# Altium PCB MCU_Module.PcbDoc
Units mm, origin at the board's own origin, x right, y up, seen from the top; angles counter-clockwise.
Board outline 89.87 x 75 mm, 4 copper layers (Top Layer, POWER, GND, Bottom Layer), stack 0.354 mm thick; 143 components, 86 nets, 446 pads, 121 vias.
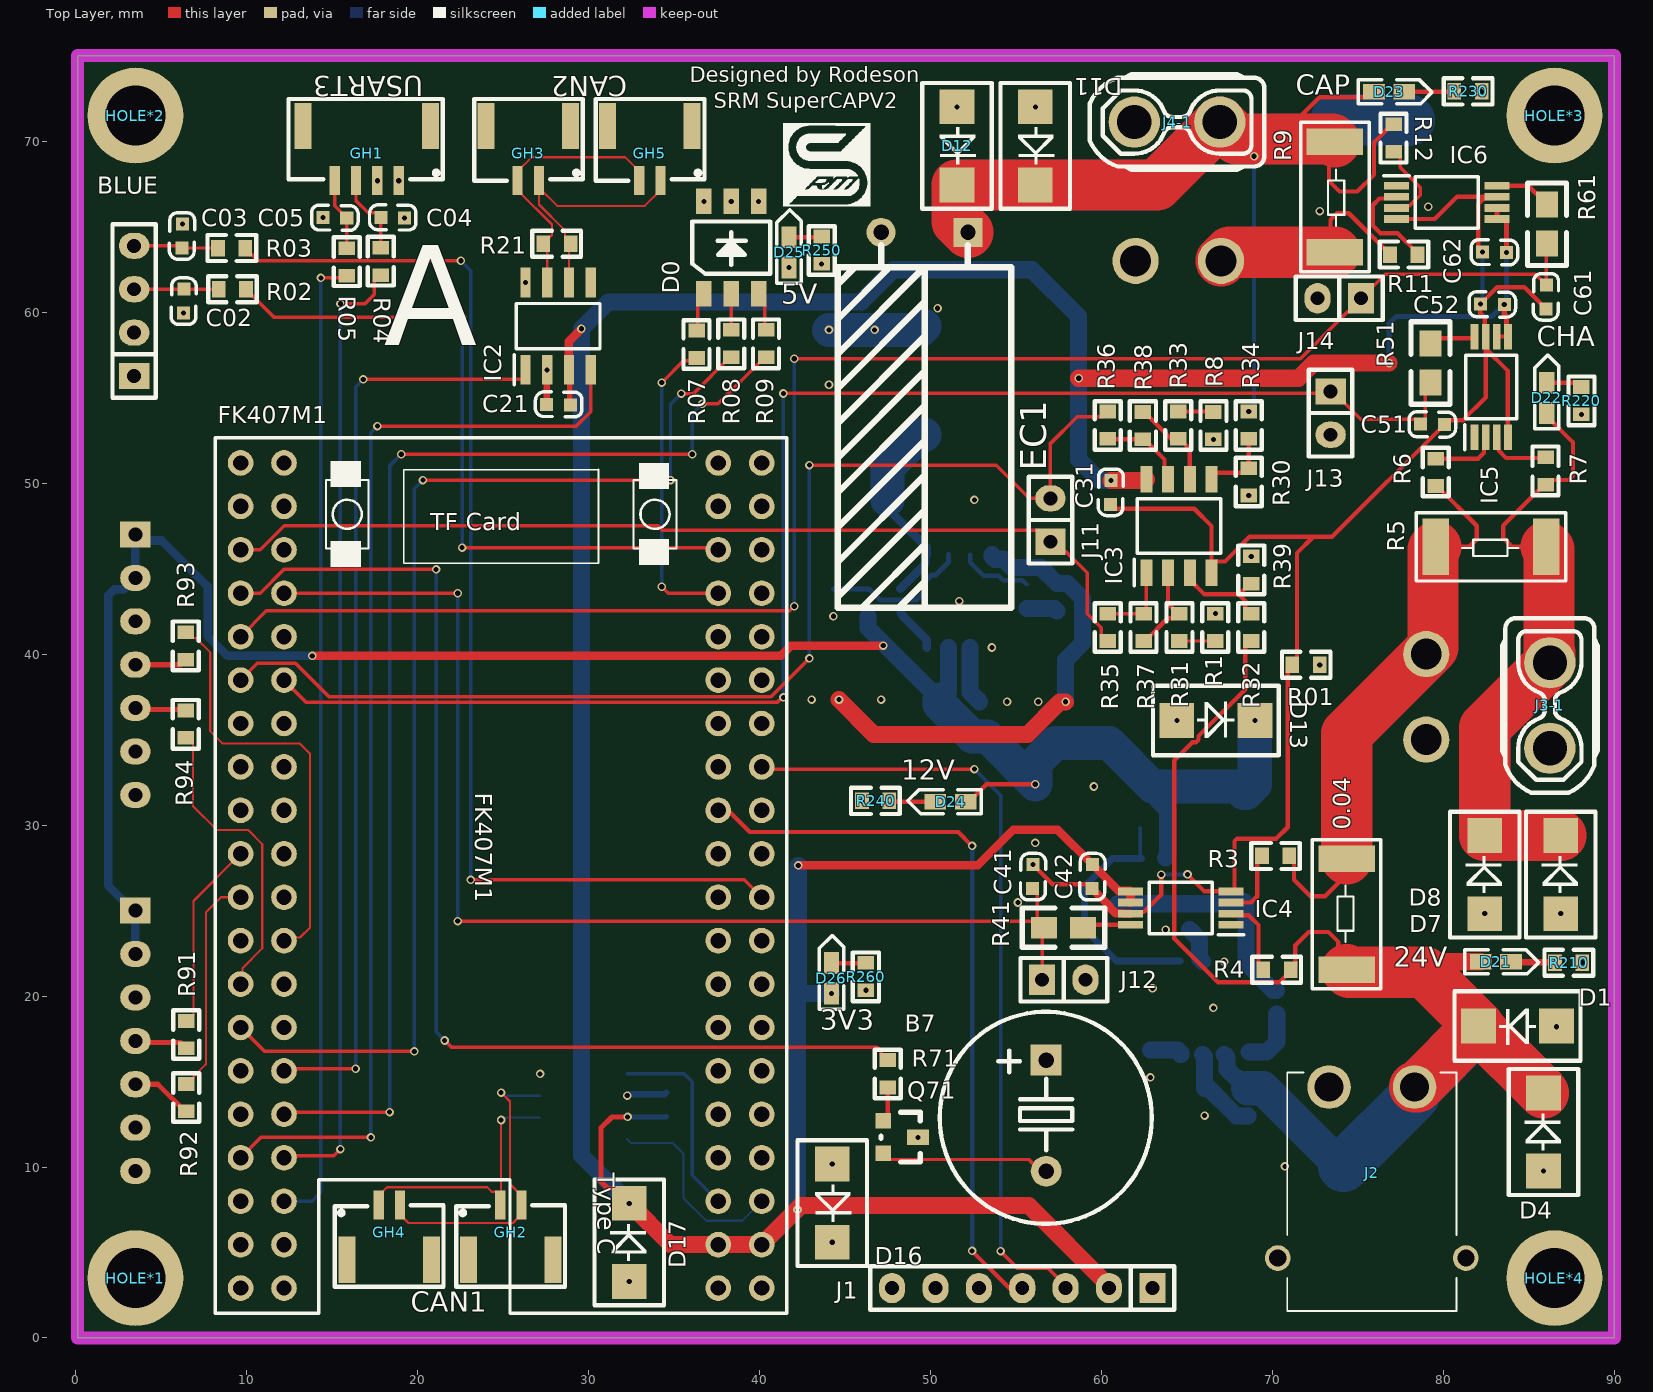
[diagram p0: Top Layer view]
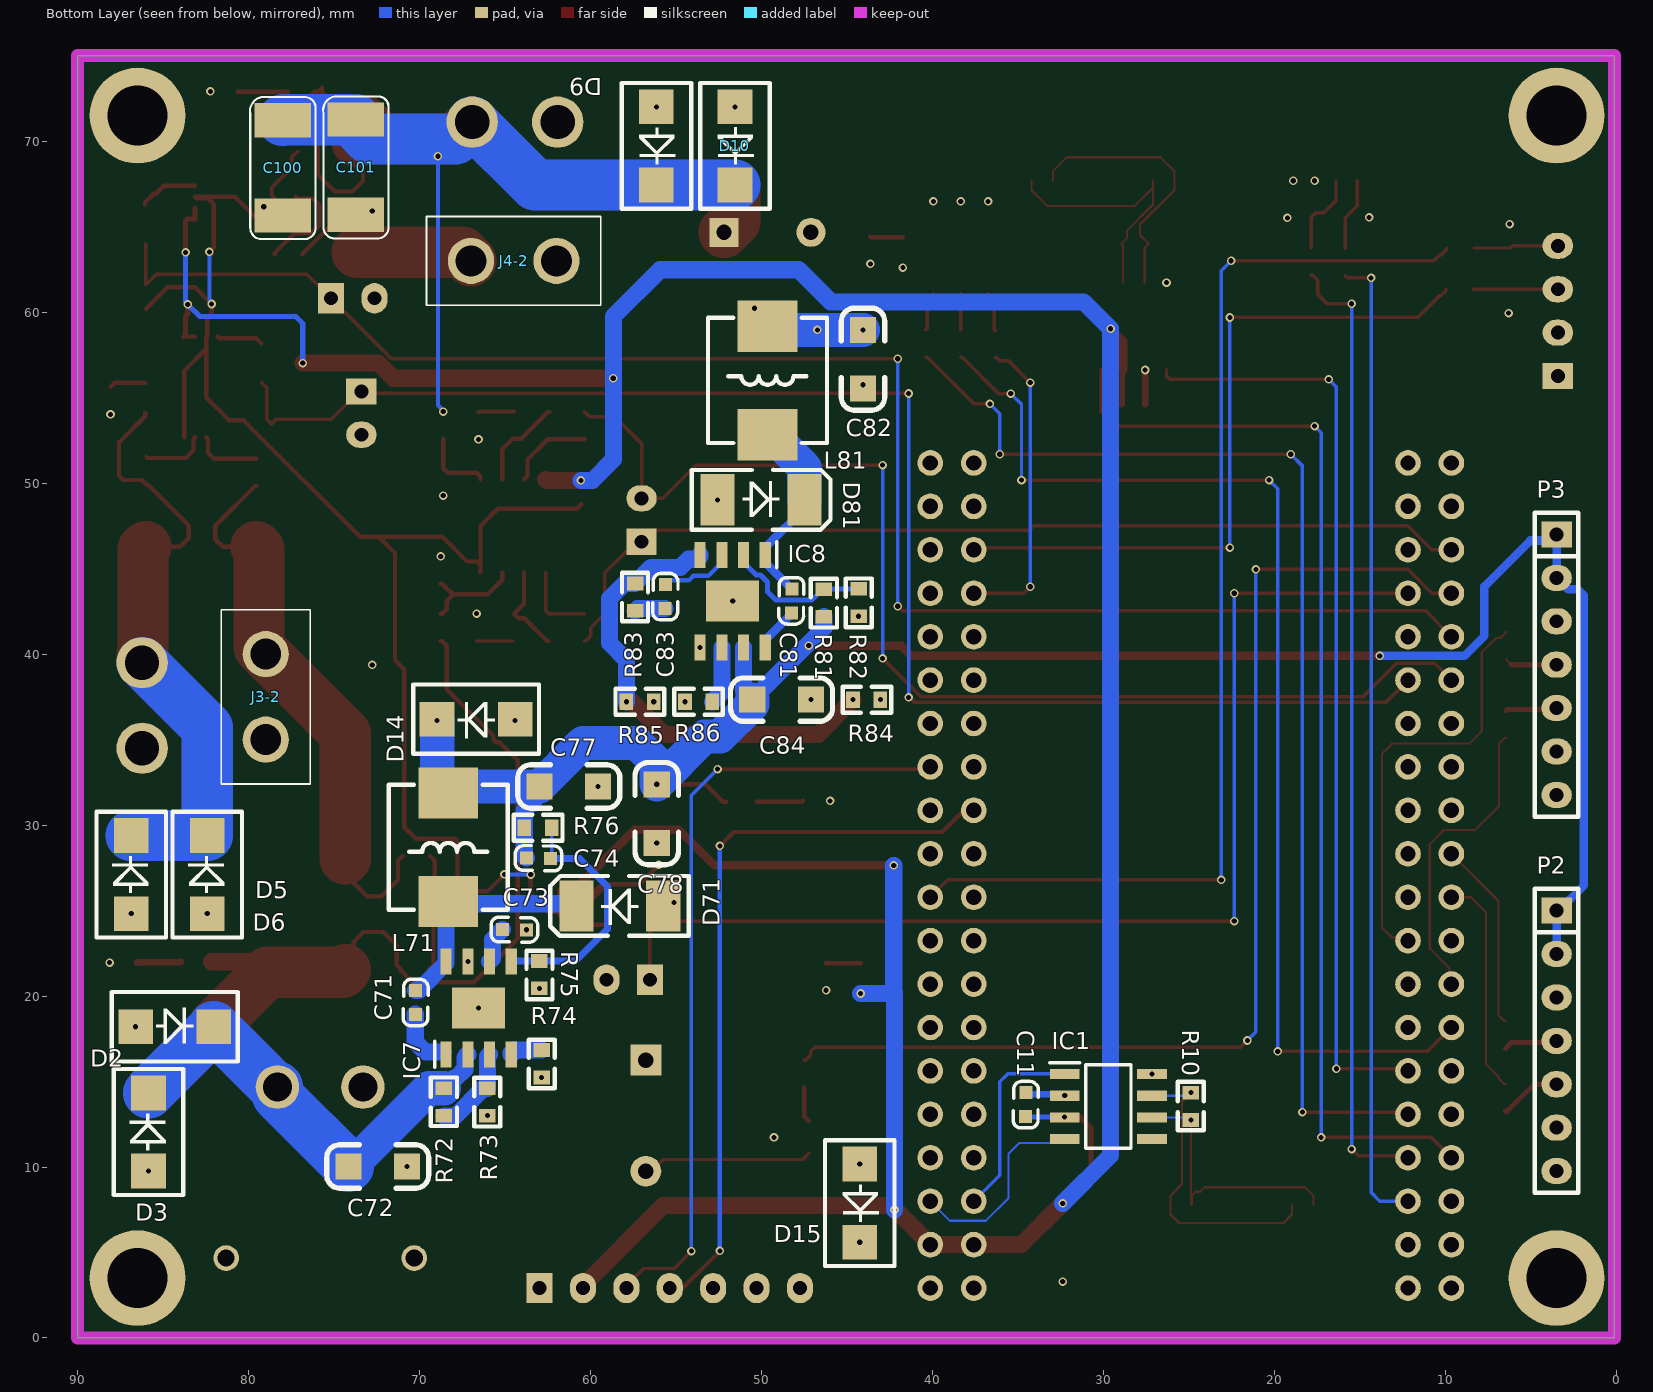
[diagram p1: Bottom Layer view, seen from below]
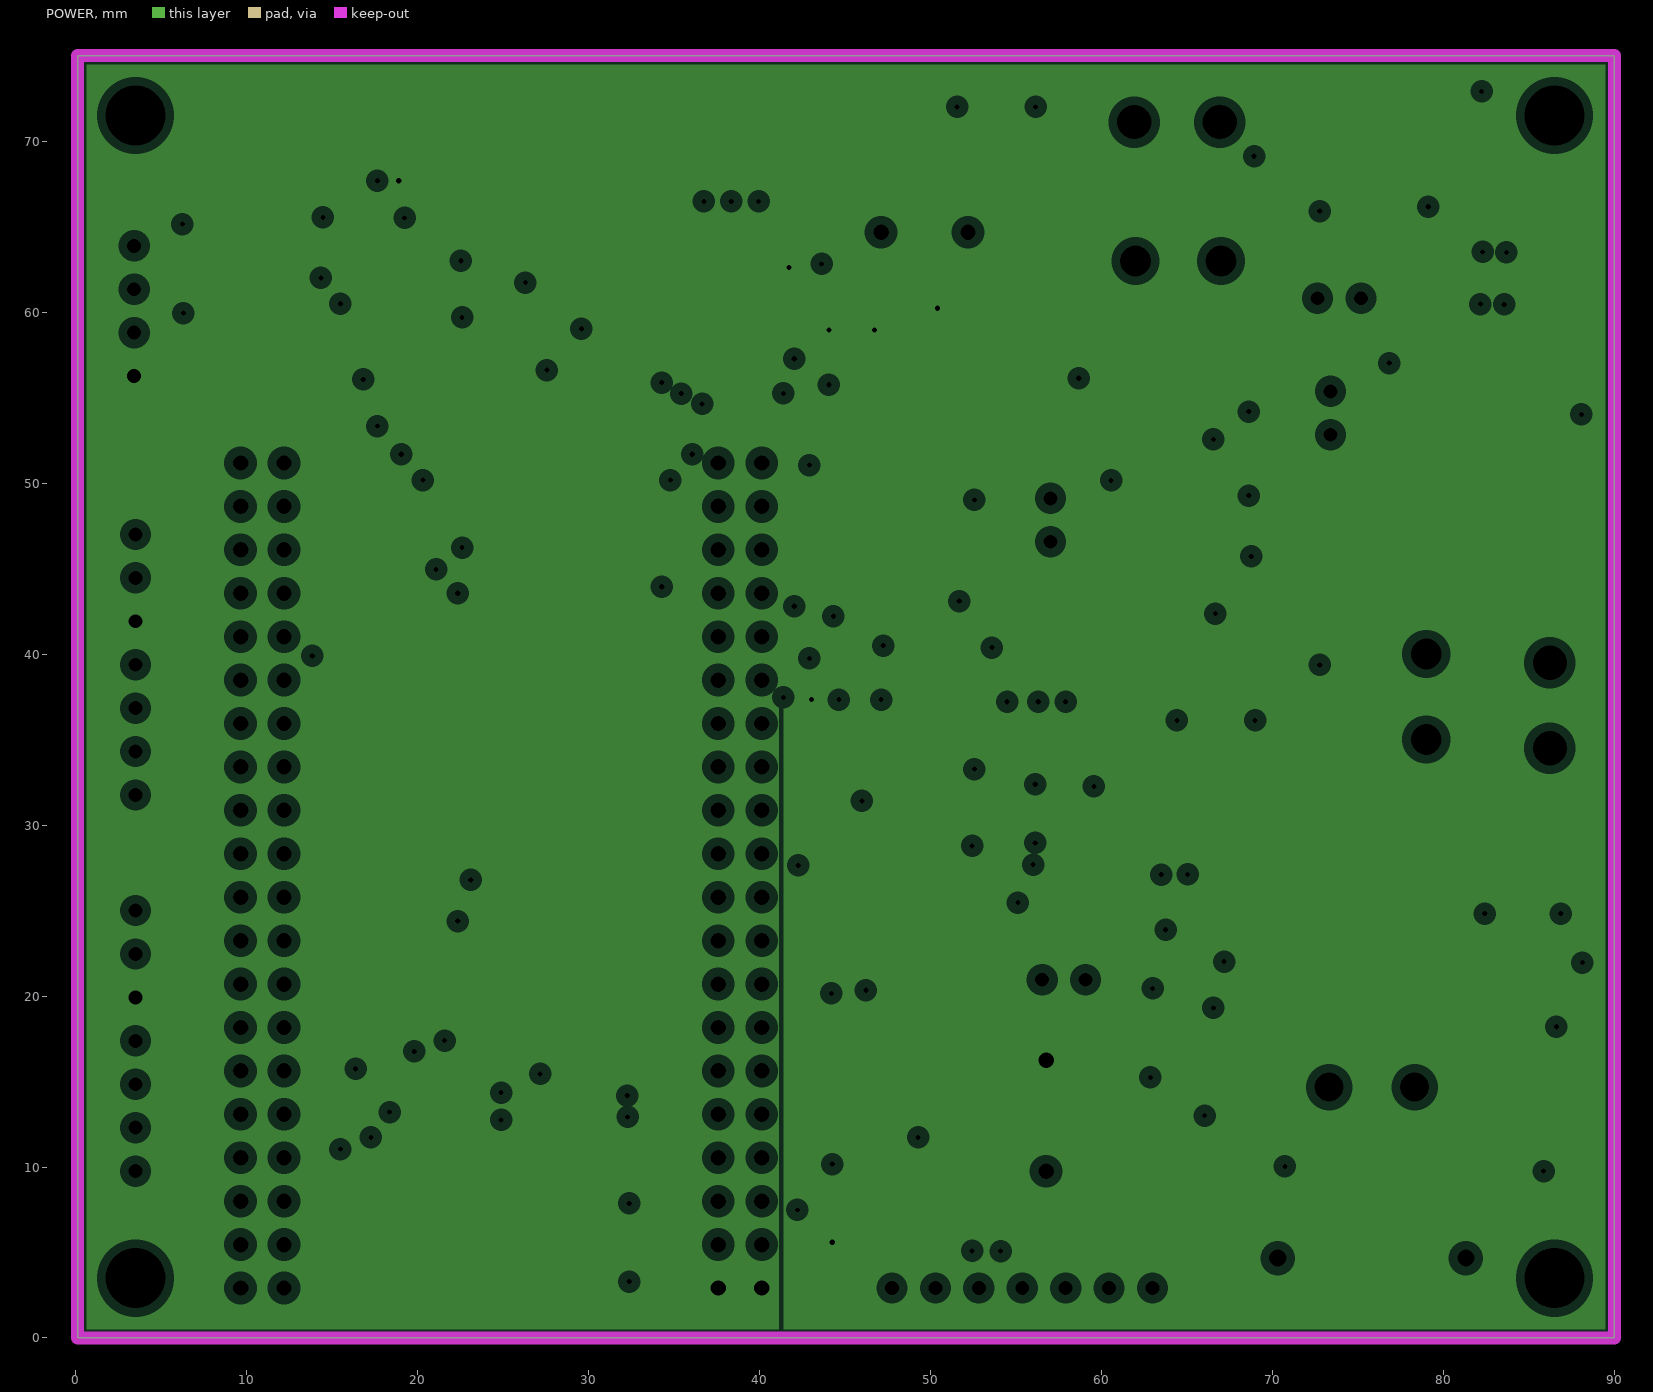
[diagram p2: POWER, clearances drawn from the general rule]
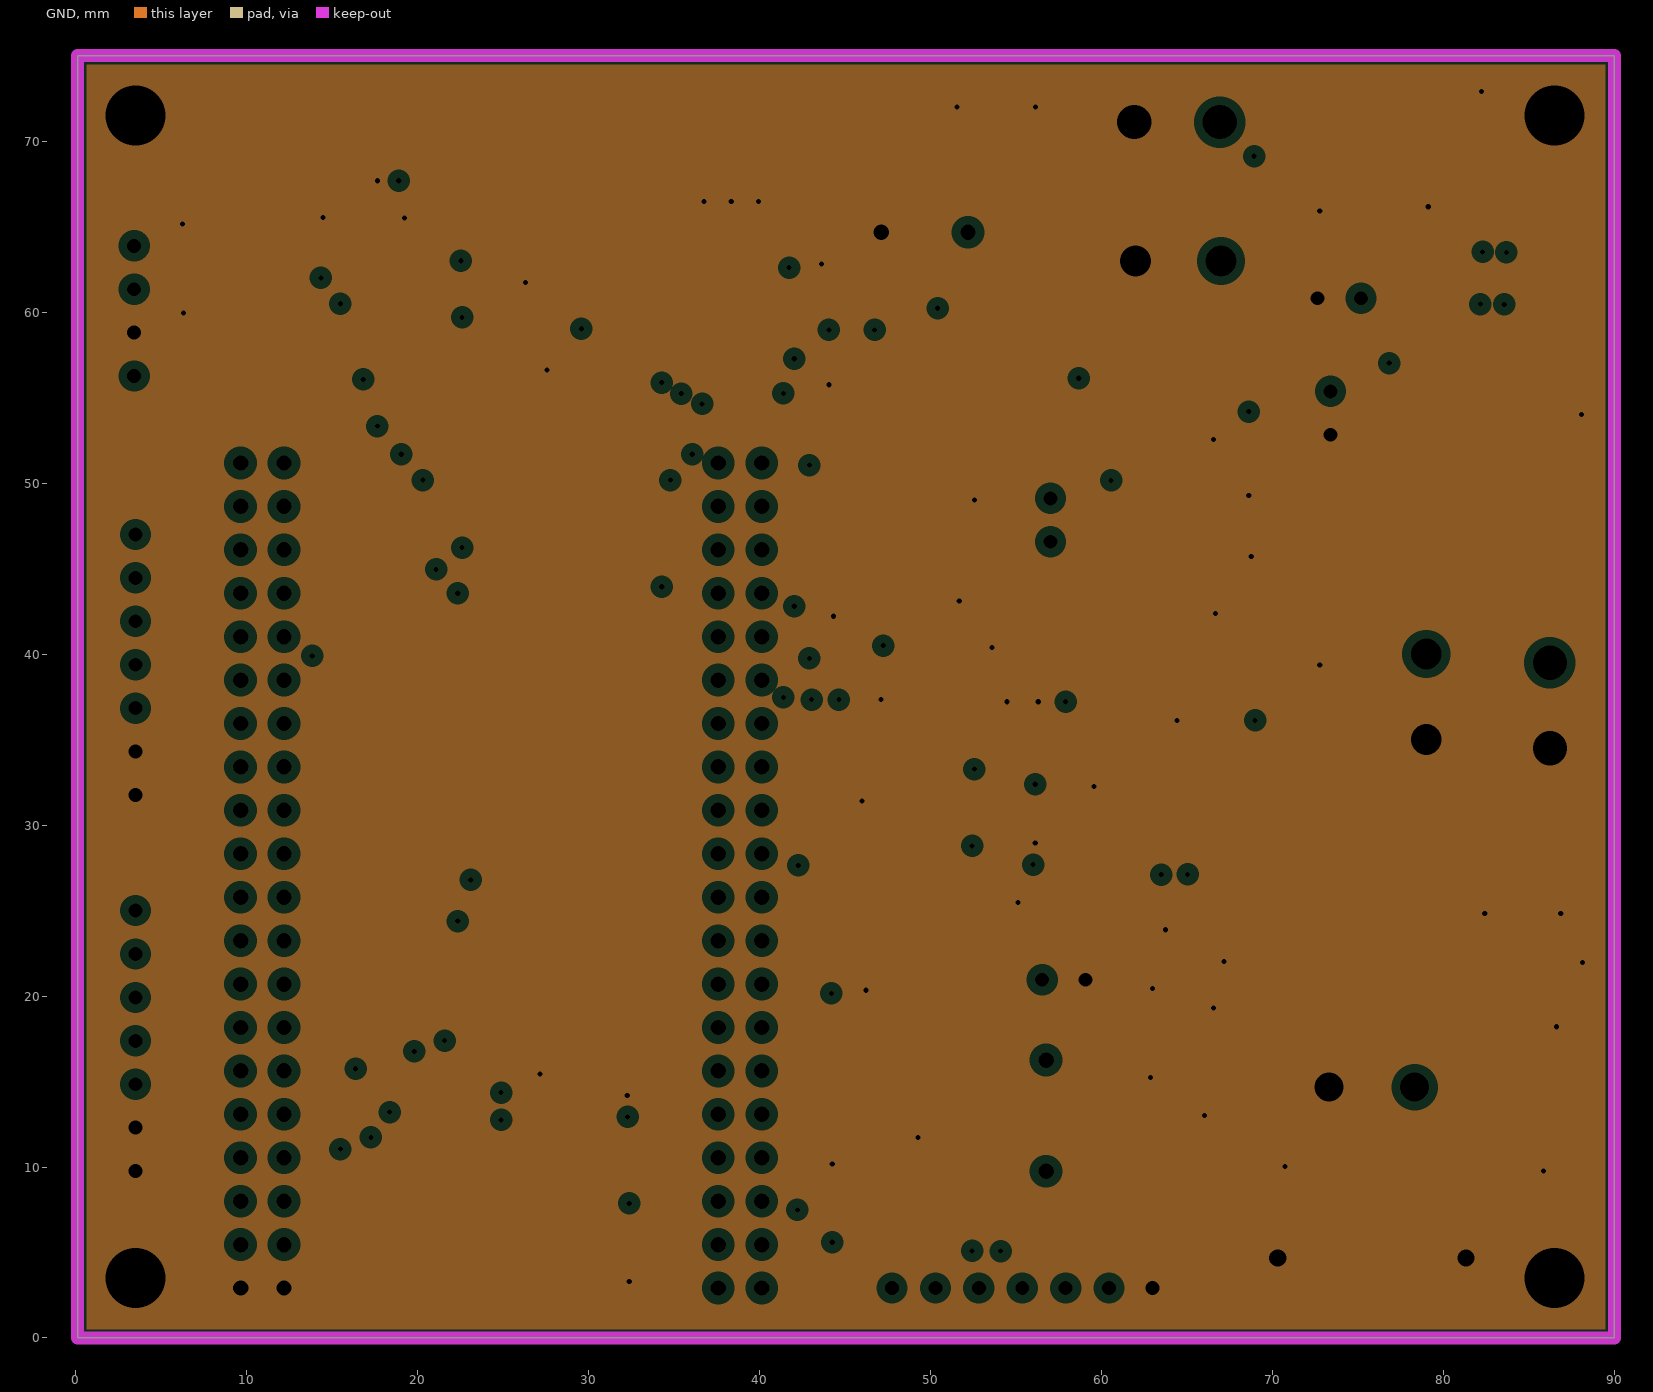
[diagram p3: GND, clearances drawn from the general rule]
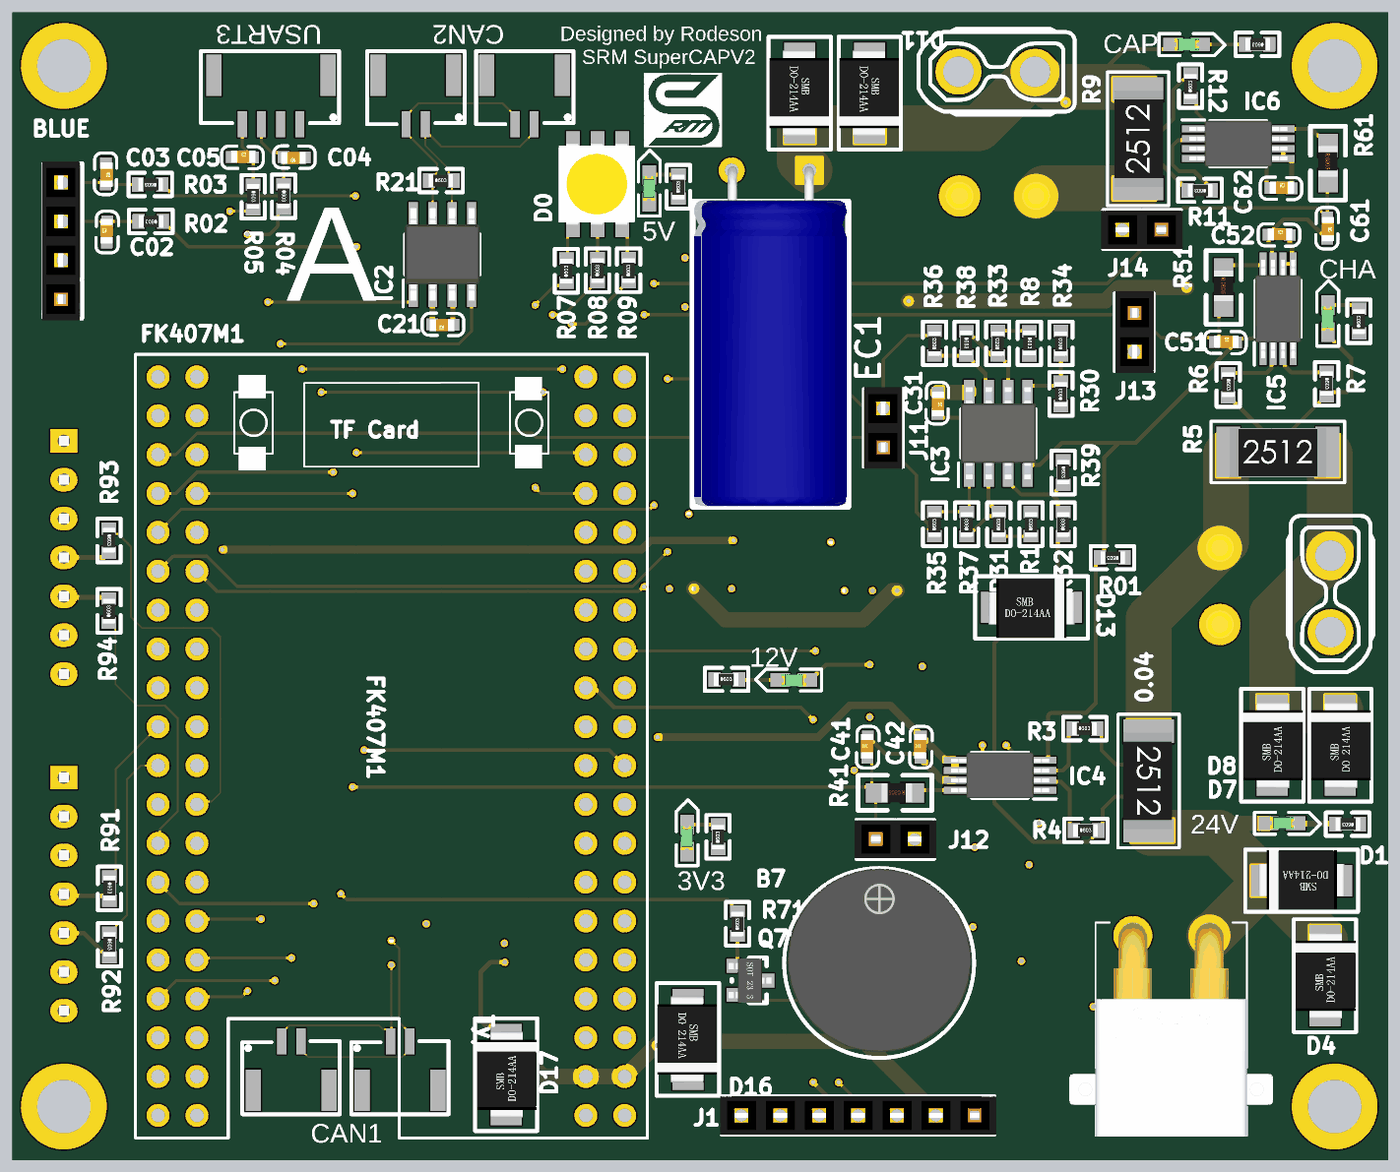
[diagram p4: 3D render of the assembled board from above, using the file's embedded part models]
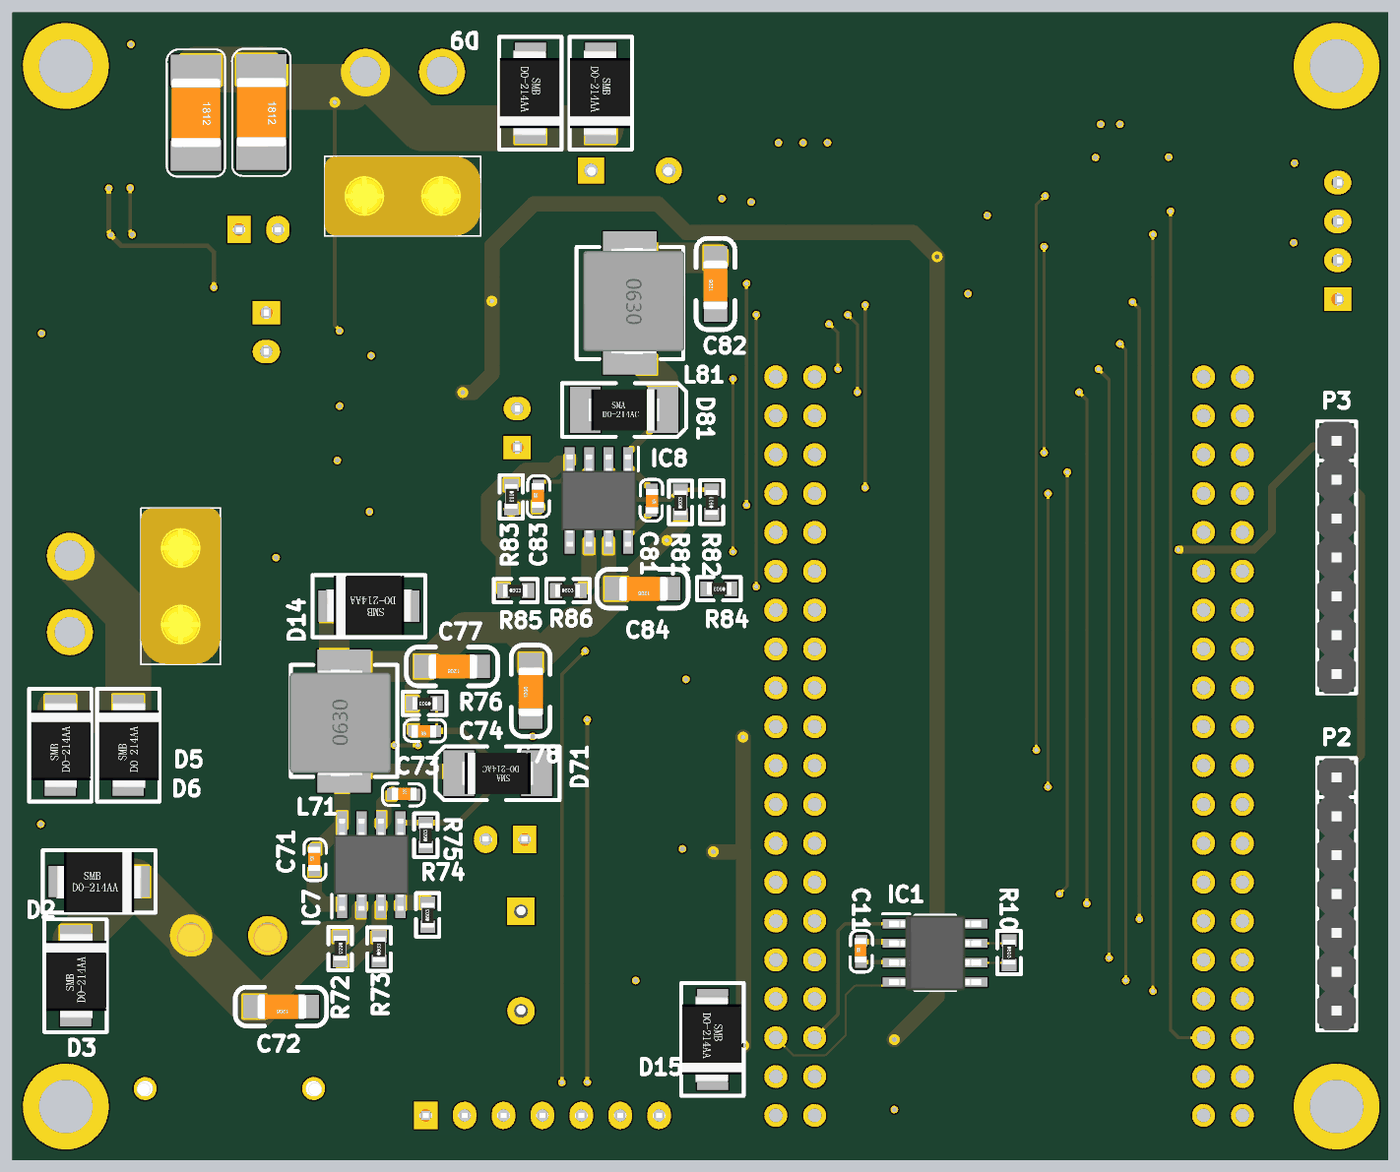
[diagram p5: 3D render of the assembled board from below, using the file's embedded part models]

## Layer stack, top to bottom
Top Solder: solder mask 0.0102, Solder Resist, Dk 3.5
Top Layer: signal copper 0.0356
Dielectric 1: prepreg 0.0711, PP-006, Dk 4.1
POWER: plane copper 0.035, net 5V
Dielectric 2: prepreg 0.0711, PP-006, Dk 4.1
GND: plane copper 0.035, net GND
Dielectric 3: prepreg 0.0711, PP-006, Dk 4.1
Bottom Layer: signal copper 0.0356
Bottom Solder: solder mask 0.0102, Solder Resist, Dk 3.5

## Board outline
0.127,0 90,0 90,75 0.127,75

## Design rules (kind name [scope] priority, off if disabled: settings)
Clearance [All] p1: gap=0.127 ignorepadtopadclearanceinfootprint=FALSE
DiffPairsRouting [All] p1: maxlimit=0.254 minlimit=0.127 mostfreqgap=0.127 toplayer_minwidth=0.127 toplayer_maxwidth=0.381 toplayer_prefwidth=0.127 bottomlayer_minwidth=0.127 bottomlayer_maxwidth=0.381 bottomlayer_prefwidth=0.127 maxuncoupledlength=12.7
PlaneClearance [All] p1: clearance=0.508
PlaneConnect [All] p1: planeconnectstyle=Relief reliefexpansion=0.508 reliefentries=4 reliefconductorwidth=0.254 reliefairgap=0.254
PolygonConnect [All] p1: connectstyle=Relief reliefconductorwidth=0.254 reliefentries=4 polygonreliefangle="90 Angle" airgapwidth=0.254
RoutingVias [All] p1: holewidth=0.3 width=0.5 viastyle="Through Hole" minholewidth=0.3 minwidth=0.5 maxholewidth=3 maxwidth=3
SolderMaskExpansion [All] p1: expansion=0.102
Width [All] p1: maxlimit=4 minlimit=0.127 preferedwidth=0.203
27 further rules are at their usual default settings.

## Components (designator, comment, footprint, x,y, rotation, side; value= is the part's Value field where it differs from the comment)
0.04 "R2" 2512R 74.295,27.94 r270 top
B7 "BEEP" "BEEP 6.5x12x8.5" 56.769,16.256 r270 top
BLUE "USART2" Fe-HDR1X4/2.54-S 3.429,56.261 r180 top
C02 "47pF" 0603C 6.296,59.944 r90 top
C03 "47pF" 0603C 6.257,65.156 r270 top
C04 "47pF" 0603C 19.254,65.508 r180 top
C05 "47pF" 0603C 14.46,65.551 r0 top
C11 "0.1uF" 0603C 34.578,12.949 r90 bottom
C21 "0.1uF" 0603C 28.961,54.576 r180 top
C31 "0.1uF" 0603C 60.581,50.165 r270 top
C41 "0.1uF" 0603C 55.973,26.284 r90 top
C42 "0.1uF" 0603C 59.448,26.284 r90 top
C51 "0.1uF" 0603C 78.661,53.467 r0 top
C52 "0.1uF" 0603C 82.164,60.486 r0 top
C61 "0.1uF" 0603C 86.036,61.6 r270 top
C62 "0.1uF" 0603C 82.291,63.534 r0 top
C71 "0.1uF" 0603C 70.265,18.928 r90 bottom
C72 "10uF" 1206C 70.739,10.033 r0 bottom
C73 "0.1uF" 0603C 65.156,23.91 r180 bottom
C74 "150pF" 0603C 62.352,28.033 r0 bottom
C77 "22uF" 1206C 59.563,32.258 r0 bottom
C78 "22uF" 1206C 56.134,28.956 r90 bottom
C81 "0.1uF" 0603C 48.226,43.82 r270 bottom
C82 "22uF" 1206C 44.069,55.534 r90 bottom
C83 "150pF" 0603C 55.66,42.667 r90 bottom
C84 "10uF" 1206C 47.117,37.338 r0 bottom
C100 "CAP" 1812C 78.003,71.231 r0 bottom
C101 "CAP" 1812C 73.726,71.275 r0 bottom
D0 "LED-5050" LED-5050W 36.703,61.11 r90 top
D1 "SMBJ28A" SMB/DO-214AA 86.625,18.255 r180 top
D2 "SMBJ28A" SMB/DO-214AA 86.614,18.206 r180 bottom
D3 "SMBJ28A" SMB/DO-214AA 85.866,9.764 r90 bottom
D4 "SMBJ28A" SMB/DO-214AA 85.866,9.764 r90 top
D5 "SMBJ28A" SMB/DO-214AA 86.868,24.821 r90 bottom
D6 "SMBJ28A" SMB/DO-214AA 82.423,24.821 r90 bottom
D7 "SMBJ28A" SMB/DO-214AA 82.423,24.821 r90 top
D8 "SMBJ28A" SMB/DO-214AA 86.868,24.821 r90 top
D9 "SMBJ28A" SMB/DO-214AA 56.155,72.009 r270 bottom
D10 "SMBJ28A" SMB/DO-214AA 51.562,72.012 r270 bottom
D11 "SMBJ28A" SMB/DO-214AA 56.134,72.012 r270 top
D12 "SMBJ28A" SMB/DO-214AA 51.562,72.012 r270 top
D13 "SMBJ12A" SMB/DO-214AA 64.414,36.119 r0 top
D14 "SMBJ12A" SMB/DO-214AA 64.414,36.195 r0 bottom
D15 "SMBJ5A" SMB/DO-214AA 44.258,10.175 r270 bottom
D16 "SMBJ5A" SMB/DO-214AA 44.258,10.175 r270 top
D17 "SMBJ3V3A" SMB/DO-214AA 32.385,3.302 r90 top
D21 "LED" LED-0603G 82.183,22.003 r0 top
D22 "LED" LED-0603G 86.062,54.102 r90 top
D23 "LED" LED-0603G 75.946,72.891 r0 top
D24 "LED" LED-0603G 52.07,31.376 r180 top
D25 "LED" LED-0603G 41.739,62.609 r90 top
D26 "LED" LED-0603G 44.214,20.15 r90 top
D71 "B5817W" SMA/DO-214AC 55.88,25.273 r0 bottom
D81 "B5817W" SMA/DO-214AC 52.451,49.022 r180 bottom
EC1 "DIP_ECAP" DIP-EC5.0X10X20-A 52.197,64.671 r270 top
FK407M1 "MCU" FK407M1 37.592,2.921 r270 top
GH1 "USART3" GH1.25_4P 21.346,72.339 r180 top
GH2 "CAN1" GH1.25_2P 22.267,3.124 r0 top
GH3 "CAN2" GH1.25_2P 29.673,72.339 r180 top
GH4 "CAN1" GH1.25_2P 15.158,3.124 r0 top
GH5 "CAN2" GH1.25_2P 36.785,72.339 r180 top
HOLE*1 "Hole" M3#1 31.623,60.579 r90 top
HOLE*2 "Hole" M3#2 50.673,64.135 r90 top
HOLE*3 "Hole" M3#3 13.716,65.786 r90 top
HOLE*4 "Hole" M3#4 64.77,45.212 r90 top
IC1 "SN65HVD230DR" SOT127P600X175-8N 29.718,13.538 r180 bottom
IC2 "SN65HVD230DR" SOT127P600X175-8N 28.222,59.182 r90 top
IC3 "OPA2350UA_2K5" SOIC127P600X175-8N 64.537,47.498 r90 top
IC4 "INA240A1PWR" SOP65P640X120-8N 64.643,25.146 r180 top
IC5 "INA240A1PWR" SOP65P640X120-8N 82.804,55.626 r90 top
IC6 "INA240A1PWR" SOP65P640X120-8N 80.203,66.421 r0 top
IC7 "LMR14020SDDAR" SOIC127P600X170-9N 66.548,19.304 r90 bottom
IC8 "MP1584EN-LF" SOIC127P600X170-9N 51.689,43.098 r270 bottom
J1 "OLED" Fe-HDR1X7/2.54-S 62.992,2.921 r270 top
J2 "XT30Battery" XT30PWM 75.819,8.763 r180 top
J3-1 "XT30Motor" XT30UPB-F 86.227,34.477 r270 top locked
J3-2 "XT30PB" XT30PB 79,40 r180 bottom locked
J4-1 "XT30CAP" XT30UPB-F 61.909,71.126 r180 top
J4-2 "XT30PB" XT30PB 67,63 r90 bottom locked
J11 "Female HDR1X2" Fe-HDR1X2/2.54-S 57.023,46.573 r90 top
J12 "Female HDR1X2" Fe-HDR1X2/2.54-S 56.536,20.955 r0 top
J13 "Female HDR1X2" Fe-HDR1X2/2.54-S 73.406,55.372 r270 top
J14 "Female HDR1X2" Fe-HDR1X2/2.54-S 75.184,60.814 r180 top
L71 "15uH" 0630L 68.326,25.654 r90 bottom
L81 "15uH" 0630L 49.657,59.055 r270 bottom
P2 "Pin HDR1X7" "Pin HDR1X7/2.54mm-S" 3.5,25 r180 bottom locked
P3 "Pin HDR1X7" "Pin HDR1X7/2.54mm-S" 3.5,47 r180 bottom locked
Q71 "PNP" SOT-23 48.133,11.811 r270 top
R1 "0" 0603R 66.669,40.767 r90 top
R01 "0" 0603R 72.771,39.37 r180 top
R02 "100" 0603R 9.969,61.341 r180 top
R3 "0" 0603R 69.393,28.194 r0 top
R03 "100" 0603R 9.931,63.754 r180 top
R4 "0" 0603R 69.469,21.542 r0 top
R04 "100" 0603R 17.854,63.768 r270 top
R5 "0.04" 2512R 79.629,46.228 r0 top
R05 "100" 0603R 15.865,63.739 r270 top
R6 "0" 0603R 79.55,51.435 r270 top
R7 "0" 0603R 85.979,51.511 r270 top